# Altium PCB SmartHub Carrier.PcbDoc (part 2 of 5)
Units mm, origin at the board's own origin, x right, y up, seen from the top; angles counter-clockwise.
Board outline 120 x 130 mm, 8 copper layers (Top Layer, Layer 2, Layer 3, Layer 4, Layer 5, Layer 6, Layer 7, Bottom Layer), stack 1.479 mm thick; 460 components, 376 nets, 1826 pads, 565 vias.
Unrouted connection lines stored in the file: 350.
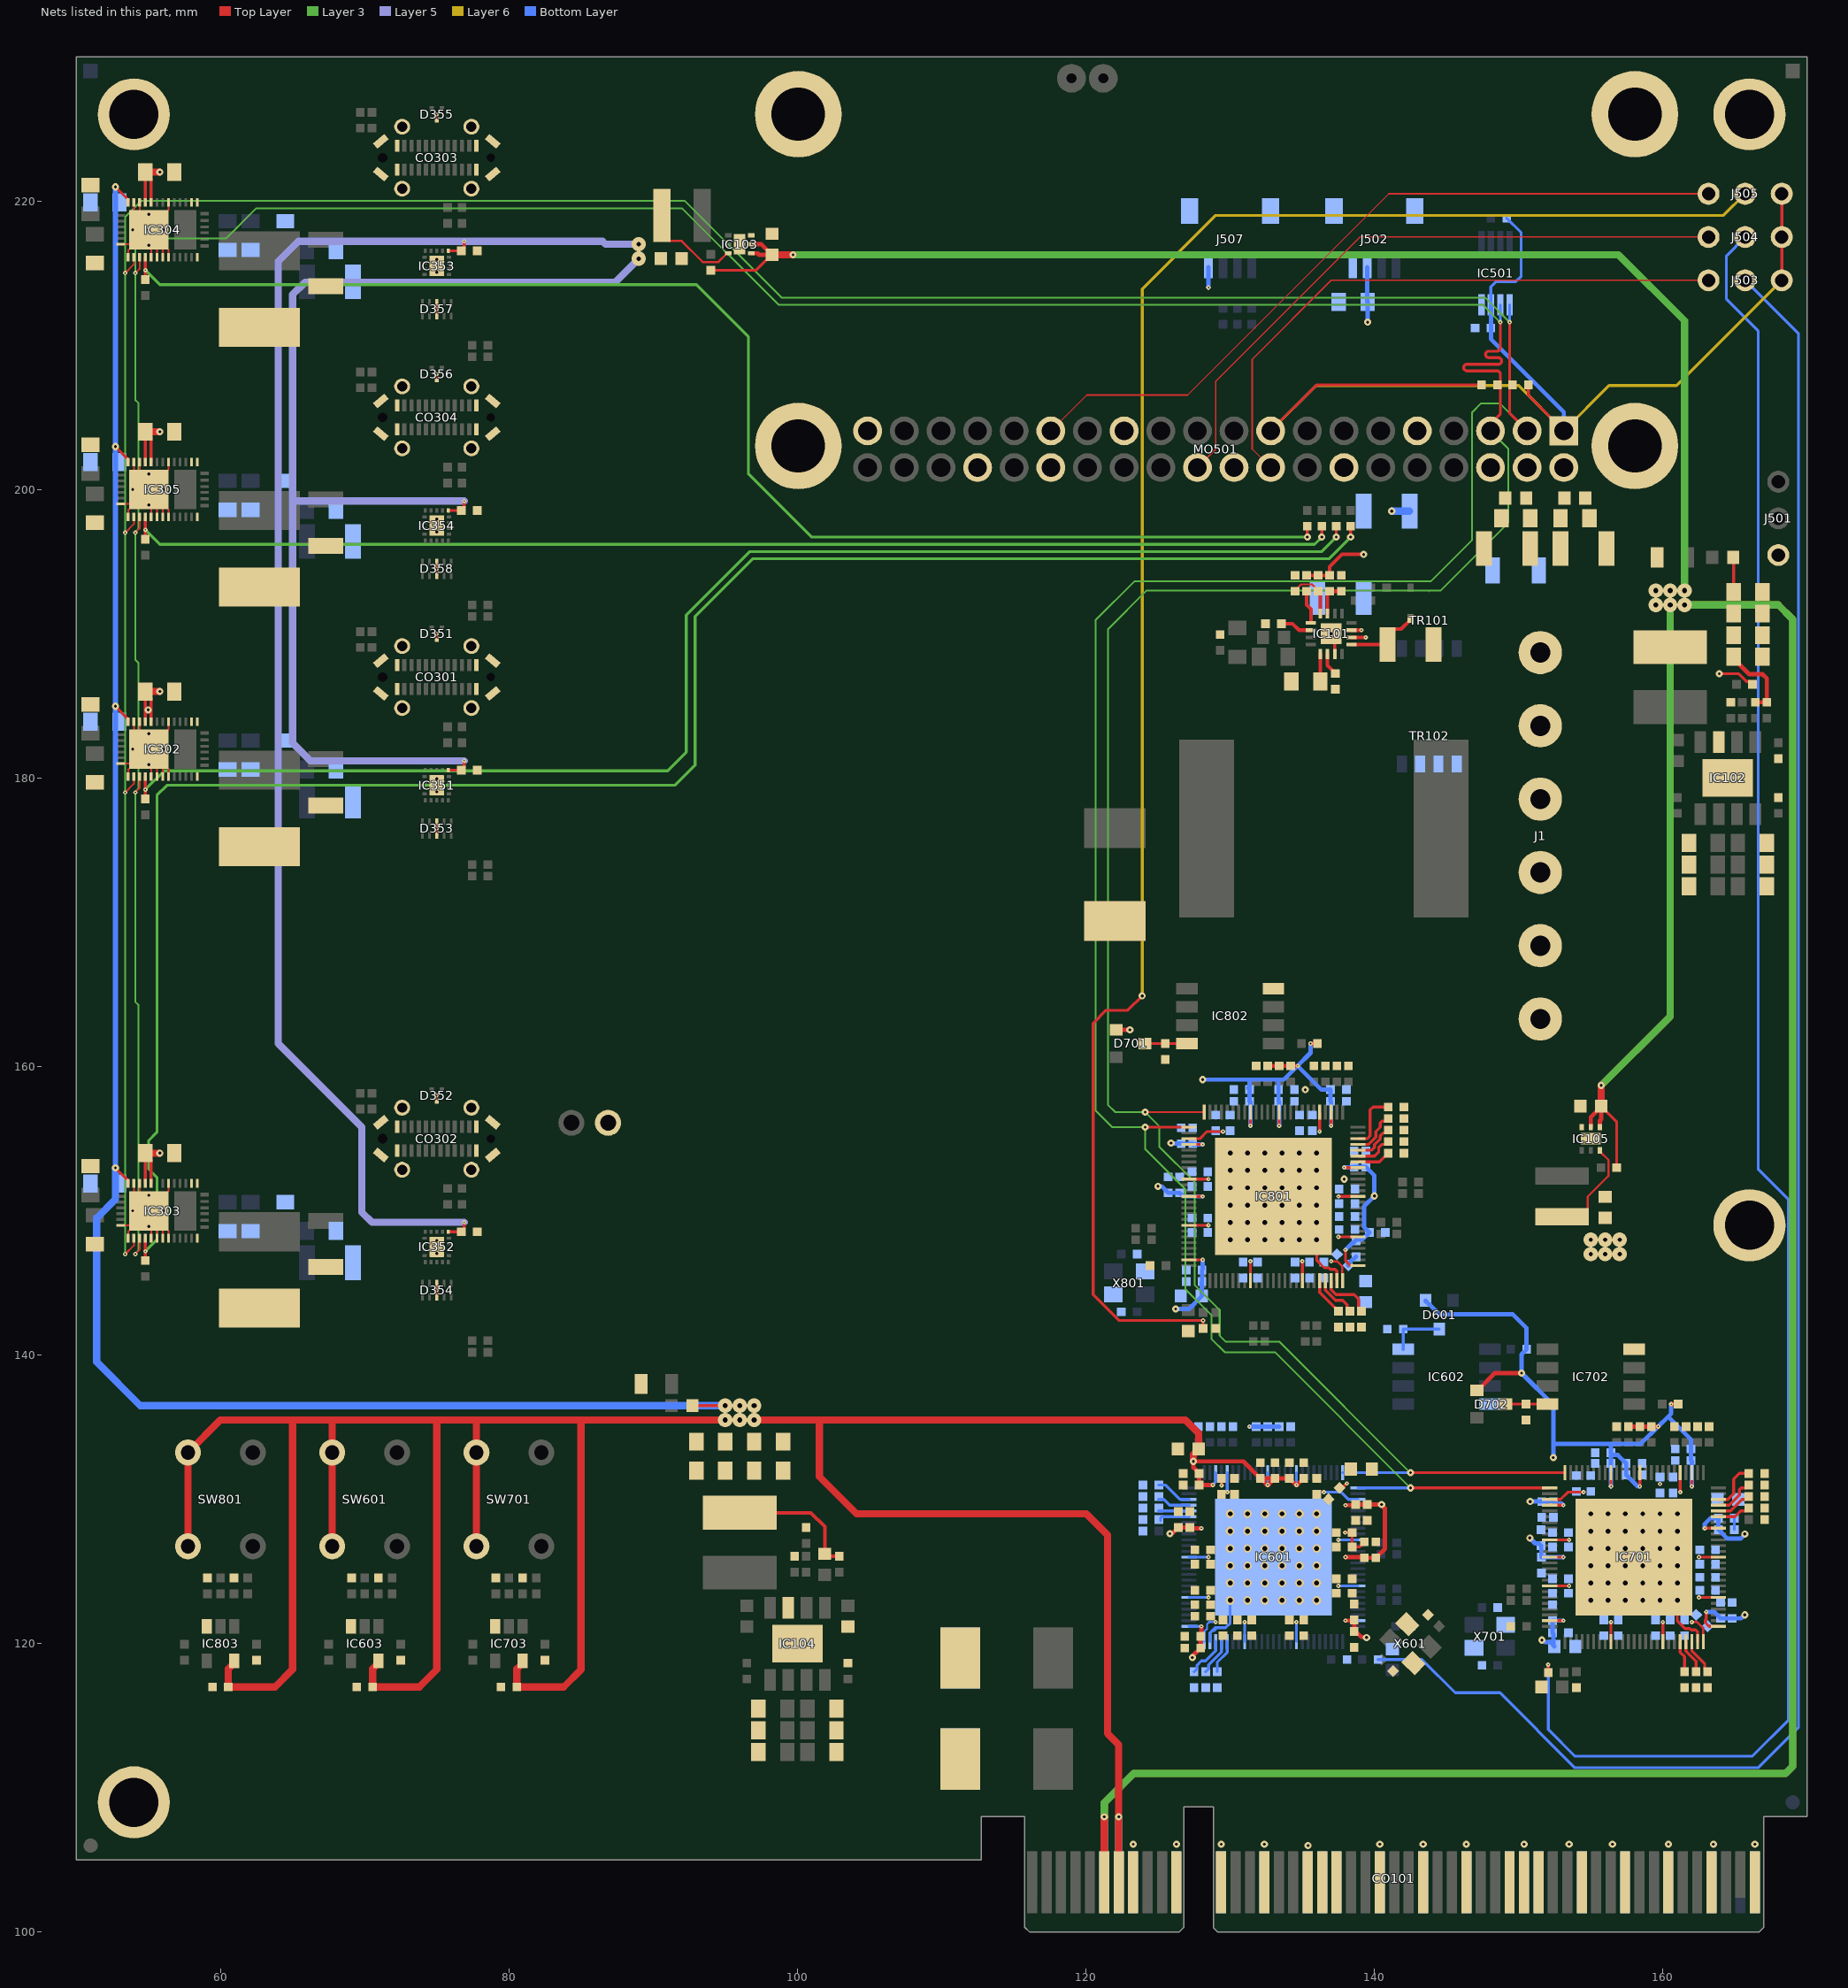
[diagram p8: the nets of this part, all layers, seen from the top]

## Footprints (in the part's own frame and the unit in brackets; to place one, negate y for a bottom-side part, rotate by r counter-clockwise, add the part's x,y. Pads: shape width x height; smd on the part's side, far side on the other; paste and mask are expansions set on the pad) (continued)
SOD-323 [mm]
  rect 0.59x0.45 smd: 1(-1.075,0) 2(1.075,0)
  silkscreen extent -1.4,-0.6 1.6,0.6, body extent -1.25,-0.63 1.25,0.63, height 0.98
SOT-3 [mm]
  rect 0.3x0.3 smd mask+0.05: 1(-0.35,-0.425) 2(0.35,-0.425) 3(0,0.425)
  silkscreen extent -0.6,-0.6 0.6,0.6, body extent -0.5,-0.45 0.5,0.45, height 0.5
SOT-23 [mm]
  rect 0.8x0.9 smd: 1(0.95,1) 2(-0.95,1) 3(0,-1)
  silkscreen extent -1.52,-0.51 1.52,0.51, body extent -1.52,-1.32 1.52,1.32, height 1.04
SOT-1176-1 [mm]
  rect 0.2x0.475 smd: 1(-1,-0.475) 2(-0.5,-0.475) 3(0,-0.475) 4(0.5,-0.475) 5(1,-0.475) 6(1,0.475) 7(0.5,0.475) 8(0,0.475) 9(-0.5,0.475) 10(-1,0.475)
  silkscreen extent -1.4,-0.6 1.3,0.5, body extent -1.25,-0.5 1.25,0.5, height 0.5
SRN6045TA [mm]
  rect 2.35x5.1 smd: 1(-2.075,0) 2(2.075,0)
  silkscreen extent -3.5,-3.25 3.5,3.25, body extent -3.15,-3 3.15,3, height 4.5
Tantalum_2924_4.1MM [mm]
  rect 2.77x4.25 smd: 1(-3.22,0) 2(3.22,0)
  silkscreen extent -5,-3.2 4.8,3.2, body extent -3.67,-3.15 3.93,3.15, height 3.8
TS02 [mm]
  round 1.8 hole 1: 1(-3.25,2.25) 2(3.25,2.25) 3(-3.25,-2.25) 4(3.25,-2.25)
  silkscreen extent -4.2,-3 3.6,3.2, body extent -3.6,-3 3.6,3, height 5
TSOP-5 [mm]
  rect 0.7x1 smd: 1(-0.95,-1.2) 2(0,-1.2) 3(0.95,-1.2) 4(0.95,1.2) 5(-0.95,1.2)
  silkscreen extent -1.9,-2.2 1.6,1.9, body extent -1.55,-1.5 1.55,1.5, height 1.1
USB4070-30-C [mm]
  round 0 hole 0.58 slot 1 at 0 deg unplated mask+0: 0(-3.75,0)
  round 0 hole 0.66 unplated mask+0: 0(3.75,0)
  rect 0.3x0.85 smd: 1(-2.75,0.83) 2(-2.25,0.83) 3(-1.75,0.83) 4(-1.25,0.83) 5(-0.75,0.83) 6(-0.25,0.83) 7(0.25,0.83) 8(0.75,0.83) 9(1.25,0.83) 10(1.75,0.83) 11(2.25,0.83) 12(2.75,0.83) 21(2.75,-0.83) 22(2.25,-0.83) 23(1.75,-0.83) 24(1.25,-0.83) 25(0.75,-0.83) 26(0.25,-0.83) 27(-0.25,-0.83) 28(-0.75,-0.83) 29(-1.25,-0.83) 30(-1.75,-0.83) 31(-2.25,-0.83) 32(-2.75,-0.83)
  rect 0.5x1.03 smd rot 50: SH(-3.88,-1.135) SH(3.88,1.135)
  rect 0.5x1.03 smd rot 130: SH(-3.88,1.135) SH(3.88,-1.135)
  round 1.1 hole 0.7: SH(-2.4,2.15) SH(-2.4,-2.15) SH(2.4,2.15) SH(2.4,-2.15)
  silkscreen extent -4.25,-2.25 4.25,2.25, body extent -4.44,-2.27 4.43,2.28, height 10.54
VQFN-100G_12X12 [mm]
  rect 1.05x0.2 smd: 1(-5.85,4.8) 2(-5.85,4.4) 3(-5.85,4) 4(-5.85,3.6) 5(-5.85,3.2) 6(-5.85,2.8) 7(-5.85,2.4) 8(-5.85,2) 9(-5.85,1.6) 10(-5.85,1.2) 11(-5.85,0.8) 12(-5.85,0.4) 13(-5.85,0) 14(-5.85,-0.4) 15(-5.85,-0.8) 16(-5.85,-1.2) 17(-5.85,-1.6) 18(-5.85,-2) 19(-5.85,-2.4) 20(-5.85,-2.8) 21(-5.85,-3.2) 22(-5.85,-3.6) 23(-5.85,-4) 24(-5.85,-4.4) 25(-5.85,-4.8) 51(5.85,-4.8) 52(5.85,-4.4) 53(5.85,-4) 54(5.85,-3.6) 55(5.85,-3.2) 56(5.85,-2.8) 57(5.85,-2.4) 58(5.85,-2) 59(5.85,-1.6) 60(5.85,-1.2) 61(5.85,-0.8) 62(5.85,-0.4) 63(5.85,0) 64(5.85,0.4) 65(5.85,0.8) 66(5.85,1.2) 67(5.85,1.6) 68(5.85,2) 69(5.85,2.4) 70(5.85,2.8) 71(5.85,3.2) 72(5.85,3.6) 73(5.85,4) 74(5.85,4.4) 75(5.85,4.8)
  rect 0.2x1.05 smd: 26(-4.8,-5.85) 27(-4.4,-5.85) 28(-4,-5.85) 29(-3.6,-5.85) 30(-3.2,-5.85) 31(-2.8,-5.85) 32(-2.4,-5.85) 33(-2,-5.85) 34(-1.6,-5.85) 35(-1.2,-5.85) 36(-0.8,-5.85) 37(-0.4,-5.85) 38(0,-5.85) 39(0.4,-5.85) 40(0.8,-5.85) 41(1.2,-5.85) 42(1.6,-5.85) 43(2,-5.85) 44(2.4,-5.85) 45(2.8,-5.85) 46(3.2,-5.85) 47(3.6,-5.85) 48(4,-5.85) 49(4.4,-5.85) 50(4.8,-5.85) 76(4.8,5.85) 77(4.4,5.85) 78(4,5.85) 79(3.6,5.85) 80(3.2,5.85) 81(2.8,5.85) 82(2.4,5.85) 83(2,5.85) 84(1.6,5.85) 85(1.2,5.85) 86(0.8,5.85) 87(0.4,5.85) 88(0,5.85) 89(-0.4,5.85) 90(-0.8,5.85) 91(-1.2,5.85) 92(-1.6,5.85) 93(-2,5.85) 94(-2.4,5.85) 95(-2.8,5.85) 96(-3.2,5.85) 97(-3.6,5.85) 98(-4,5.85) 99(-4.4,5.85) 100(-4.8,5.85)
  rect 8.1x8.1 smd: 101(0,0)
  silkscreen extent -6.4,-6.4 6.4,6.4, body extent -5.99,-5.99 5.99,5.99, height 0.89
X2QFN-18G_2.4X2 [mm]
  rrect25% 0.3x0.2 smd: 1(-0.85,0.6) 2(-0.85,0.2) 3(-0.85,-0.2) 4(-0.85,-0.6) 10(0.85,-0.6) 11(0.85,-0.2) 12(0.85,0.2) 13(0.85,0.6)
  rrect25% 0.2x0.3 smd: 5(-0.8,-1.05) 6(-0.4,-1.05) 7(0,-1.05) 8(0.4,-1.05) 9(0.8,-1.05) 14(0.8,1.05) 15(0.4,1.05) 16(0,1.05) 17(-0.4,1.05) 18(-0.8,1.05)
  rrect5% 1x1.4 smd: 19(0,0)
  silkscreen extent -1.4,-1.3 1.1,1.3, body extent -1,-1.2 1,1.2, height 0.38

## Part data
C102: library part CA0024, "10µF 63V 10% X7R", ID=24, ManfactPart=GRM32ER71J106KA12, Part Number=CA0024, RefVal=10µF
C103 C108 C327 C336 C349 C360: library part CA0038, "4.7µF 100V 10% X5R", ID=38, ManfactPart=HMK325BJ475KM-PE, Part Number=CA0038, RefVal=4.7µF
C104 C110 C122 C127 C140 C144: library part CA0029, "100nF 50V 10% X7R", ID=29, ManfactPart=CGA2B3X7R1H104K050BB, Part Number=CA0029, RefVal=100nF
C105 C151 C152 C153 C154: library part CA0076, "150µF 35V 20% 100mΩ", ID=76, ManfactPart=TCJU157M035R0100E, Part Number=CA0076, RefVal=150µF
C107 C109 C328 C329 C330 C331 C337 C338 C339 C340 C350 C351 C352 C353 C361 C362 C363 C364: library part CA0021, "10nF 50V 10% X7R", ID=21, ManfactPart=C0805C103K5RAC, Part Number=CA0021, RefVal=10nF
C111 C112 C113 C114 C128 C129 C130 C131 C317 C319 C325 C326 C332 C333 C334 C335 C345 C346 C347 C348 C356 C357 C358 C359 C503 C504 C508: library part CA0001, "10µF 16V 10% X5R", ID=1, ManfactPart=GRM21BR61C106KE15L, Part Number=CA0001, RefVal=10µF
C115 C123 C132 C604 C606 C608 C610 C612 C614 C616 C618 C621 C623 C625 C627 C629 C631 C633 C635 C637 C704 C706 C708 C710 C712 C714 C716 C718 C721 C723 C725 C727 C729 C731 C733 C735 C737 C803 C805 C807 C809 C811 C813 C815 C817 C820 C822 C824 C826 C828 C830 C832 C834 C836: library part CA0031, "1nF 50V 1% C0G", ID=31, ManfactPart=GRT1555C1H102FA02D, Part Number=CA0031, RefVal=1nF
C116 C117 C118 C119 C120 C121 C134 C135 C136 C137 C138 C139: library part CA0005, "10µF 35V 10% X5R", ID=5, ManfactPart=C2012X5R1V106K125AC, Part Number=CA0005, RefVal=10µF
C124: library part CA0030, "1.2nF 50V 10% X7R", ID=30, ManfactPart=GCM155R71H122KA37D, Part Number=CA0030, RefVal=1.2nF
C125 C126 C133 C141: library part CA0008, "10µF 16V 20% X5R", ID=8, ManfactPart=GRM188R61C106MAALD, Part Number=CA0008, RefVal=10µF
C142: library part CA0068, "56pF 50V 2% C0G", ID=68, ManfactPart=CC0402GRNPO9BN560, Part Number=CA0068, RefVal=56pF
C143: library part CA0055, "2.7nF 50V 5% X7R", ID=55, ManfactPart=GRM155R71H272JA01D, Part Number=CA0055, RefVal=2.7nF
C145: library part CA0070, "2.2nF 50V 10% X7R", ID=70, ManfactPart=C0805C222K5RAC, Part Number=CA0070, RefVal=2.2nF
C301 C302 C303 C304 C305 C306 C307 C308 C309 C310 C311 C312 C313 C314 C315 C316 C318 C320 C321 C322 C323 C324 C367 C368 C369 C370 C371 C372 C373 C374 C375 C376 C377 C378 C379 C380 C507 C601 C603 C605 C607 C609 C611 C613 C615 C617 C620 C622 C624 C626 C628 C630 C632 C634 C636 C638 C641 C642 C643 C644 C701 C703 C705 C707 C709 C711 C713 C715 C717 C720 C722 C724 C726 C728 C730 C732 C734 C736 C738 C739 C742 C743 C802 C804 C806 C808 C810 C812 C814 C816 C819 C821 C823 C825 C827 C829 C831 C833 C835 C837 C838 C846: library part CA0010, "100nF 16V 10% X7R", ID=10, ManfactPart=GCM155R71C104KA55D, Part Number=CA0010, RefVal=100nF
C341 C343 C354 C365: library part CA0039, "10µF 63V 10% X7R", ID=39, ManfactPart=CL32B106KMVNNWE, Part Number=CA0039, RefVal=10µF
C342 C344 C355 C366: library part CA0051, "22µF 63V 20% X7R", ID=51, ManfactPart=KRM55WR71J226MH01K, Part Number=CA0051, RefVal=22µF
C501 C502: library part CA0007, "47µF 16V 20% X5R", ID=7, ManfactPart=EMK325ABJ476MM8P, Part Number=CA0007, RefVal=47µF
C505 C506: library part CA0003, "1µF 16V 10% X5R", ID=3, ManfactPart=C1608X5R1C105K080AA, Part Number=CA0003, RefVal=1µF
C602 C619 C702 C719 C801 C818: library part CA0002, "4.7µF 16V 10% X5R", ID=2, ManfactPart=C1608X5R1C475K080AC, Part Number=CA0002, RefVal=4.7µF
C639 C640 C740 C741 C848 C849: library part CA0059, "12pF 16V 1% C0G", ID=59, ManfactPart=VJ0402A120FXJCW1BC, Part Number=CA0059, RefVal=12pF
CO101: library part CO0052, "PCIE GEN4-X8, Male", ID=52, Part Number=CO0052, RefVal=PCIE-X8
CO301 CO302 CO303 CO304: library part CO0021, "USB C connector Receptacle Vertical", ID=16, ManfactPart=USB4070-30-C, Part Number=CO0021, RefVal=USB4070
CO501 CO502: library part CO0058, "Pogo pin 3mm TH", ID=58, ManfactPart=0906-0-15-20-76-14-11-0, Part Number=CO0058, RefVal="Pogo pin"
D101 D102: library part DI0001, ID=1, ManfactPart=KP-2012CGCK, Part Number=DI0001, RefVal="Led Green"
D111: library part DI0013, "Schottky Diodes 30V", ID=13, ManfactPart="CMDSH2-3 TR PBFREE", Part Number=DI0013, RefVal=CMDSH2-3
D351 D352 D355 D356: library part DI0002, "USB 2 TVS Diode", ID=2, ManfactPart=TPD2EUSB30DRTR, Part Number=DI0002, RefVal=TVS
D353 D354 D357 D358: library part DI0007, "USB 3 TVS Diode", ID=7, ManfactPart=PUSB3FA2Z, Part Number=DI0007, RefVal=TVS
D601 D701 D702: library part DI0010, "Diodes - General Purpose, Power, Switching 100Vll Signal Switching Diodes 2A", ID=10, ManfactPart=BAS16_R1_00001, Part Number=DI0010, RefVal=BAS16
Fid1 Fid3: library part ME0011, "Fiducial Round 1mm", ID=11, Part Number=ME0011, RefVal=Fiducial
Fid2 Fid4: library part ME0012, "Fiducial Sqaure 1mm", ID=12, Part Number=ME0012, RefVal=Fiducial
H1 H2 H3 H4: library part ME0001, "Mounting Hole M3", ID=1, Part Number=ME0001, RefVal="Hole M3"
IC101: library part IC0063, "High Frequency Synchronous Step-Down Voltage Mode DC/DC Controller", ID=63, ManfactPart=LTC3775IUD#PBF, Part Number=IC0063, RefVal=LTC3775
IC102 IC104: library part IC0031, "3.8V TO 40V INPUT, 5A LOW IQ SYNCHRONOUS BUCK WITH PROGRAMMABLE SOFT-START TIME", ID=31, ManfactPart=AP64501SP-13, Part Number=IC0031, RefVal=AP64501SP-13
IC103: library part IC0064, "3MHz 2A Buck Converter 1.80V OUT", ID=64, ManfactPart=HL7504FN07, Part Number=IC0064, RefVal=HL7504
IC105: library part IC0050, "3MHz 2A Buck Converter 1.10V OUT", ID=50, ManfactPart=HL7504FN08, Part Number=IC0050, RefVal=HL7504
IC302 IC303 IC304 IC305: library part IC0041, "USB Type-C and USB PD Controller with Integrated Power Switches Optimized for Power Applications", ID=41, ManfactPart=TPS25750D, Part Number=IC0041, RefVal=TPS25750D
IC351 IC352 IC353 IC354: library part IC0039, "TUSB542 USB Type-C 5 Gbps Redriver 2:1 MUX", ID=39, ManfactPart=TUSB542, Part Number=IC0039, RefVal=TUSB542
IC501: library part IC0054, "Board Mount Temperature Sensors Single RPB-Based PWM Fan Speed CNTRL", ID=54, ManfactPart=EMC2301-1-ACZL-TR, Part Number=IC0054, RefVal=EMC2301
IC601 IC701 IC801: library part IC0065, "6-Port USB 3.2 Gen 2 Controller Hub", ID=65, ManfactPart=USB7206C, Part Number=IC0065, RefVal=USB7206C
IC602 IC702 IC802: library part IC0059, "16 Mbit Serial Quad I/O (SQI) Flash Memory", ID=59, ManfactPart=SST26VF016B-104I/SM, Part Number=IC0059, RefVal=SST26VF016B
IC603 IC703 IC803: library part IC0061, "Logic Gates 2-6V Single 2-Input NOR", ID=61, ManfactPart=MC74HC1G02DTT1G, Part Number=IC0061, RefVal=MC74HC1G02
J1: library part CO0033, "Pluggable Terminal Blocks 6 Pos 5.08mm pitch Through Hole Header", ID=33, ManfactPart=1755778, Part Number=CO0033, RefVal=1755778
J501 J503 J504 J505: library part CO0018, "Header 1x3P", ID=32, ManfactPart=G800W305018EU, Part Number=CO0018, RefVal=Header
J502: library part CO0055, "Connector Header SMD R/A 4POS 1MM", ID=55, ManfactPart=SM04B-SRSS-TB, Part Number=CO0055, RefVal="Fan Connctor"
J506: library part CO0060, "Socket Strip with Square Tails", ID=60, ManfactPart=SSQ-102-02-S-S, Part Number=CO0060, RefVal="Pin Socket"
J507: library part CO0056, "Connector Header SMD R/A 4POS 1MM for LED4PG-15-23B/R6G6BHC-A01/2T", ID=56, ManfactPart=SM04B-SRSS-TB, Part Number=CO0056, RefVal="Led Connector"
L101 L103: library part IN0005, "3.3µH 5A 30% 21mΩ", ID=5, ManfactPart=SRN6045TA-3R3Y, Part Number=IN0005, RefVal="3.3µH 5A"
L102 L104: library part IN0004, ID=4, ManfactPart=NRS4018T2R2MDGJ, Part Number=IN0004, RefVal="2.2µH 3A"
L105: library part IN0018, "3.3µH 35A 20% 2.93mΩ", ID=18, ManfactPart=IHLP6767GZER3R3M11, Part Number=IN0018, RefVal="3.3µH 35A"
"Logo FxLand": library part ME0008, "Logo FxLand 3", ID=8, Part Number=ME0008, RefVal=FxLand
MO501: library part MO0018, "RPI ZeroW Pin 1-40", ID=18, ManfactPart=61304021121, Part Number=MO0018, RefVal=ZeroW-1
MO502 MO503 MO504 MO505: library part MO0016, "RPI ZeroW Mounting Studs", ID=16, ManfactPart=9774030151R, Part Number=MO0016, RefVal=ZeroW-M
MO506: library part MO0015, "Outline of ZeroW", ID=15, ManfactPart="RPI Zero W", Part Number=MO0015, RefVal=ZeroW
R101: library part RS0083, "442Ω 1% 100mW 100PPM", ID=83, ManfactPart=ERJ-2RKF4420X, Part Number=RS0083, RefVal=442Ω
R102 R103 R401 R402 R403 R404 R612 R613 R614 R713 R714 R715 R811 R812 R813: library part RS0036, "100KΩ 1% 62.5mW 100PPM", ID=36, ManfactPart=AC0402FR-13100KL, Part Number=RS0036, RefVal=100KΩ
R104: library part RS0088, "198KΩ 0.1% 100mW 25PPM", ID=88, ManfactPart=RT0603BRD07198KL, Part Number=RS0088, RefVal=198KΩ
R105: library part RS0084, "6.1KΩ 0.1% 100mW 25PPM", ID=84, ManfactPart=TNPW040236K1BEED, Part Number=RS0084, RefVal=6.1KΩ
R106: library part RS0089, "39KΩ 1% 62.5mW 100PPM", ID=89, ManfactPart=CRG0402F39K, Part Number=RS0089, RefVal=39KΩ
R107 R108 R503 R504 R505 R506 R601 R602 R605 R606 R607 R608 R609 R610 R701 R702 R703 R706 R707 R708 R709 R710 R711 R801 R804 R805 R806 R807 R808 R809: library part RS0011, "10KΩ 1% 62.5mW", ID=11, ManfactPart=WR04X1002FTL, Part Number=RS0011, RefVal=10KΩ
R109: library part RS0090, "73.2KΩ 1% 100mW 100PPM", ID=90, ManfactPart=RK73H1ETTP7322F, Part Number=RS0090, RefVal=73.2KΩ
R110 R116: library part RS0007, "100Ω 1% 100mW", ID=7, ManfactPart=WR06X1000FTL, Part Number=RS0007, RefVal=100Ω
R111: library part RS0001, "150Ω 1% 100mW", ID=1, ManfactPart=MCWR06X1500FTL, Part Number=RS0001, RefVal=150Ω
R112 R611 R712 R810: library part RS0015, "12KΩ 1% 62.5mW", ID=15, ManfactPart=RC0402FR-1312KL, Part Number=RS0015, RefVal=12KΩ
R113: library part RS0034, "20KΩ 1% 100mW 100PPM", ID=34, ManfactPart=ERJ-S02F2002X, Part Number=RS0034, RefVal=20KΩ
R114: library part RS0035, "2.2KΩ 1% 62.5mW 100PPM", ID=35, ManfactPart=CRGCQ0402F2K2, Part Number=RS0035, RefVal=2.2KΩ
R115 R120: library part RS0066, "1MΩ 1% 62.5mW 100PPM", ID=66, ManfactPart=0402WGF1004TCE, Part Number=RS0066, RefVal=1MΩ
R117: library part RS0080, "50Ω 0.1% 100mW 50PPM", ID=80, ManfactPart=RT0603BRE0750RL, Part Number=RS0080, RefVal=50Ω
R118: library part RS0041, "69.8KΩ 1% 100mW 100PPM", ID=41, ManfactPart=CRCW060369K8FKEB, Part Number=RS0041, RefVal=69.8KΩ
R119: library part RS0054, "10.5KΩ 1% 62.5mW 100PPM", ID=54, ManfactPart=CRCW040210K5FKEDC, Part Number=RS0054, RefVal=10.5K
R121 R616 R717 R815: library part RS0040, "22.1KΩ 1% 100mW 100PPM", ID=40, ManfactPart=RC0603FR-0722K1L, Part Number=RS0040, RefVal=22.1KΩ
R122: library part RS0091, "3mΩ 5% 250mW 100PPM", ID=91, ManfactPart=AC1206JR-073ML, Part Number=RS0091, RefVal=3mΩ
R501 R502: library part RS0020, "2.2KΩ 5% 62.5mW", ID=20, ManfactPart="MCMR04X222 JTL", Part Number=RS0020, RefVal=2.2KΩ
R507: library part RS0051, "36KΩ 1% 62.5mW 100PPM", ID=51, ManfactPart=ERJ-2RKF3602X, Part Number=RS0051, RefVal=36KΩ
R508 R509: library part RS0082, "120Ω 1% 62.5mW 100PPM", ID=82, ManfactPart=CRG0402F120R, Part Number=RS0082, RefVal=100Ω
R510: library part RS0081, "68Ω 1% 62.5mW 100PPM", ID=81, ManfactPart=CR0402-FX-68R0GLF, Part Number=RS0081, RefVal=68Ω
R603 R604 R617 R618 R619 R620 R621 R622 R623 R624 R625 R626 R627 R704 R705 R718 R719 R720 R721 R722 R723 R724 R725 R726 R727 R728 R802 R803 R816 R817 R818 R819 R820 R821 R822 R823 R824 R825 R826: library part RS0045, "200KΩ 1% 62.5mW 100PPM", ID=45, ManfactPart=CRG0402F200K, Part Number=RS0045, RefVal=200KΩ
R615 R716 R814: library part RS0038, "5.1KΩ 1% 62.5mW 100PPM", ID=38, ManfactPart=CRCW04025K10FKEDC, Part Number=RS0038, RefVal=5.1kΩ
SW601 SW701 SW801: library part SW0005, "TACTILE SWITCH SPST", ID=5, ManfactPart=TS02-66-50-BK-160-SCR-D, Part Number=SW0005, RefVal=TS02
TR101: library part TR0015, "30V/8mΩ, N-channel Power MOSFET, 30A", ID=15, ManfactPart=RJK0305DPB, Part Number=TR0015, RefVal=RJK0305DPB
TR102: library part TR0014, "30V/2.8mΩ, N-channel Power MOSFET, 60A", ID=14, ManfactPart=RJK0301DPB, Part Number=TR0014, RefVal=RJK0301DPB
X601 X701 X801: library part CR0003, "25MHz 8pF 20PPM", ID=3, ManfactPart=403WF25012IK, Part Number=CR0003, RefVal=25MHz

## Via types
v1: diameter 0.3, hole 0.1, Top Layer to Bottom Layer, 235 vias
v2: diameter 0.5, hole 0.2, Top Layer to Bottom Layer, 115 vias
v3: diameter 0.6, hole 0.33, Top Layer to Bottom Layer, 108 vias
v4: diameter 1, hole 0.3, Top Layer to Bottom Layer, 40 vias
v5: diameter 0.45, hole 0.2, Top Layer to Bottom Layer, 40 vias
v6: diameter 1, hole 0.35, Top Layer to Bottom Layer, 27 vias

## Nets (pads, with @x,y where several pads share a name; then routed paths per layer and width w, separated by ;. In a path a pad name is that pad's centre, name@x,y a point inside that pad or via, vN(x,y) a via of type N, cw(c..) or ccw(c..) an arc to the next point about the centre after c; other vN are vias at no path point)
3v3_F: C701.1 D701.3 IC802.8 | length 2.9
  Top Layer w0.2: D701.3@124.1,161.6 IC802.8@127,161.6
3v3_G1: C601.1 D601.3 IC602.8 | length 3.9
  Bottom Layer w0.2: IC602.8@142,140.4 C601.1@142,141.8 D601.3@144.5,141.8
3v3_G2: C738.1 D702.3 IC702.8 | length 2.9
  Top Layer w0.2: D702.3@149.1,136.6 IC702.8@152,136.6
+1V1: C141.1 C619.1 C620.1 C621.1 C622.1 C623.1 C624.1 C625.1 C626.1 C627.1 C628.1 C629.1 C630.1 C631.1 C632.1 C633.1 C634.1 C635.1 C636.1 C637.1 C719.1 C720.1 C721.1 C722.1 C723.1 C724.1 C725.1 C726.1 C727.1 C728.1 C729.1 C730.1 C731.1 C732.1 C733.1 C734.1 C735.1 C736.1 C737.1 C818.1 C819.1 C820.1 C821.1 C822.1 C823.1 C824.1 C825.1 C826.1 C827.1 C828.1 C829.1 C830.1 C831.1 C832.1 C833.1 C834.1 C835.1 C836.1 IC105.3 IC601.9 IC601.18 IC601.25 IC601.31 IC601.38 IC601.55 IC601.78 IC601.85 IC601.93 IC701.9 IC701.18 IC701.25 IC701.31 IC701.38 IC701.55 IC701.78 IC701.85 IC701.93 IC801.9 IC801.18 IC801.25 IC801.31 IC801.38 IC801.55 IC801.78 IC801.85 IC801.93 L104.2 | length 48.5
  Top Layer w0.15: v1(137,146.5) 137.425,146.5 137.775,146.15 137.775,145.175 IC801.25@137.8,145.15 ; L104.2@153,149.6 L104.2@154,149.6 ; L104.2@154.25,149.6 154.775,150.125 154.775,150.975 156.225,152.425 156.225,153.525 155.625,154.125 IC105.3@155.625,154.2 ; v1(162,121.5) 162.375,121.5 162.775,121.1 162.775,120.175 IC701.25@162.8,120.15
  Top Layer w0.2: IC801.93@127.15,149 v1(128.5,149) ; IC801.85@127.15,152.2 v1(128.5,152.2) ; IC801.78@127.15,155 127.899,155 128.399,155.5 v1(129.5,155.5) ; IC801.9@131.4,145.15 v1(131.4,146.5) ; IC801.18@135,145.15 v1(135,146.5) ; v1(136.2,155.5) IC801.55@136.2,156.85 ; v1(137.5,148.2) IC801.31@138.85,148.2 ; v1(137.5,151) IC801.38@138.85,151 ; IC701.93@152.15,124 v1(153.5,124) ; IC701.85@152.15,127.2 v1(153.5,127.2) ; IC701.78@152.15,130 152.899,130 153.399,130.5 v1(154.5,130.5) ; IC701.9@156.4,120.15 v1(156.4,121.5) ; IC701.18@160,120.15 v1(160,121.5) ; v1(161.2,130.5) IC701.55@161.2,131.85 ; v1(162.5,123.2) IC701.31@163.85,123.2 ; v1(162.5,126) IC701.38@163.85,126
  Bottom Layer w0.15: IC601.25@128.2,120.15 128.225,120.175 128.225,120.859 128.4,121.034 128.4,121.35 128.55,121.5 v1(129,121.5)
  Bottom Layer w0.2: IC601.31@127.15,123.2 v1(128.5,123.2) ; IC601.38@127.15,126 v1(128.5,126) ; v1(129.8,130.5) IC601.55@129.8,131.85 ; IC601.18@131,120.15 v1(131,121.5) ; IC601.9@134.6,120.15 v1(134.6,121.5) ; v1(136.5,130.5) 137.7,130.5 138.2,130 IC601.78@138.85,130 ; v1(137.5,124) IC601.93@138.85,124 ; v1(137.5,127.2) IC601.85@138.85,127.2
  other v4: 155,147 156,147 157,147 155,148 156,148 157,148
+1V8: C126.1 C318.1 C320.1 C379.1 C380.1 IC103.3 IC351.5 IC352.5 IC353.5 IC354.5 L102.2 | length 195.3
  Top Layer w0.15: L102.2@90.6,219 90.6,218 90.6,217.75 91.125,217.225 91.975,217.225 93.425,215.775 94.525,215.775 95.125,216.375 IC103.3@95.2,216.375
  Top Layer w0.2: IC352.5@75.8,148.55 C320.1@76.7,148.55 76.9,148.75 v1(76.9,149.2) ; IC351.5@75.8,180.55 C318.1@76.7,180.55 76.9,180.75 v1(76.9,181.2) ; IC354.5@75.8,198.55 C380.1@76.7,198.55 76.9,198.75 v1(76.9,199.2) ; IC353.5@75.8,216.55 C379.1@76.7,216.55 76.9,216.75 v1(76.9,217.2)
  Top Layer w0.3: L102.2@90.525,217.925 L102.2@90.6,218
  Layer 5 w0.5: v1(76.9,149.2) 70.5,149.2 69.8,149.9 69.8,155.8 64,161.6 64,181.2 64,199.2 64,215.8 65.4,217.2 v1(76.9,217.2) 86.5,217.2 86.7,217 v4(89,217) ; v1(76.9,181.2) 66.25,181.2 65,182.45 65,199.25 ; v1(76.9,199.2) 65.05,199.2 65,199.25 ; v4(89,216) 87.369,214.369 65.869,214.369 65,213.5 65,199.25
+3V3: C128.1 C129.1 C130.1 C131.1 C132.1 C317.1 C332.1 C345.1 C356.1 C602.1 C603.1 C604.1 C605.1 C606.1 C607.1 C608.1 C609.1 C610.1 C611.1 C612.1 C613.1 C614.1 C615.1 C616.1 C617.1 C618.1 C638.1 C702.1 C703.1 C704.1 C705.1 C706.1 C707.1 C708.1 C709.1 C710.1 C711.1 C712.1 C713.1 C714.1 C715.1 C716.1 C717.1 C718.1 C739.1 C801.1 C802.1 C803.1 C804.1 C805.1 C806.1 C807.1 C808.1 C809.1 C810.1 C811.1 C812.1 C813.1 C814.1 C815.1 C816.1 C817.1 C846.1 CO101.A7 CO101.B7 D601.1 D701.1 D702.1 IC302.38 IC303.38 IC304.38 IC305.38 IC601.26 IC601.43 IC601.53 IC601.62 IC601.67 IC601.79 IC601.88 IC601.99 IC603.5 IC701.26 IC701.43 IC701.53 IC701.62 IC701.67 IC701.79 IC701.88 IC701.99 IC703.5 IC801.26 IC801.43 IC801.53 IC801.62 IC801.67 IC801.79 IC801.88 IC801.99 IC803.5 L103.2 R117.1 R118.2 R601.2 R605.1 R606.1 R607.1 R701.2 R702.2 R706.1 R707.1 R708.1 R804.1 R805.1 R806.1 SW601.1 SW601.2 SW701.1 SW701.2 SW801.1 SW801.2 | length 527.3
  Top Layer w0.2: v2(52.725,152.975) 53.6,152.1 IC303.38@53.6,151.9 ; v2(52.725,184.975) 53.6,184.1 IC302.38@53.6,183.9 ; v2(52.725,202.975) 53.6,202.1 IC305.38@53.6,201.9 ; v2(52.725,220.975) 53.6,220.1 IC304.38@53.6,219.9 ; R117.1@92.725,136.5 v6(95,136.5) ; IC801.99@127.15,146.6 v1(128.1,146.6) ; IC801.88@127.15,151 v1(128.1,151) ; IC801.79@127.15,154.6 v1(128.1,154.6) ; v1(131.4,155.9) IC801.67@131.4,156.85 ; v1(133.4,155.9) IC801.62@133.4,156.85 ; v1(137,155.9) IC801.53@137,156.85 ; v1(137.9,153) IC801.43@138.85,153 ; v1(137.992,147.292) 137.992,146.55 138.342,146.2 IC801.26@138.85,146.2 ; IC701.99@152.15,121.6 v1(153.1,121.6) ; IC701.88@152.15,126 v1(153.1,126) ; IC701.79@152.15,129.6 v1(153.1,129.6) ; v1(156.4,130.9) IC701.67@156.4,131.85 ; v1(158.4,130.9) IC701.62@158.4,131.85 ; v1(162,130.9) IC701.53@162,131.85 ; v1(162.9,128) IC701.43@163.85,128 ; v1(163,122.2) 163,121.708 162.942,121.65 162.942,121.458 163.2,121.2 IC701.26@163.85,121.2
  Top Layer w0.25: L103.2@96,129.075 100.925,129.075 101.9,128.1 R118.2@101.9,126.225 102.075,126.05 C132.1@102.9,126.05
  Top Layer w0.3: D701.1@122.1,162.55 v2(123.05,162.55) ; v2(125.821,127.629) 125.859,127.667 126.017,127.667 C617.1@126.4,128.05 C618.1@127.2,128.05 127.25,128 v1(128,128) ; v2(127.378,119.041) 127.416,119.08 127.416,119.166 C615.1@127.95,119.7 C616.1@127.95,120.5 128,120.55 v1(128,121.2) ; v2(127.453,132.635) 127.453,132.197 C603.1@127.85,131.8 C604.1@127.85,131 v1(128.8,131) ; v2@127.5,132.59 127.545,132.635 130.915,132.635 C605.1@132.1,131.45 ; R806.1@132.6,160.05 R805.1@133.4,160.05 R804.1@134.2,160.05 ; R804.1@134.35,160.2 R804.1@134.2,160.05 ; v1(134.675,160.05) R804.1@134.2,160.05 ; C608.1@135.1,131.45 134.65,131 v1(134.6,131) 134.55,131 C607.1@134.1,131.45 C606.1@133.1,131.45 ; v1(135.575,161.6) R701.2@136.05,161.6 ; v1(138,121.6) 138.55,121.6 C614.1@138.6,121.65 C613.1@138.6,120.85 138.75,120.7 138.85,120.7 139.087,120.463 139.412,120.463 v2(139.45,120.425) ; v1(138,126) 139.25,126 C612.1@139.3,125.95 C611.1@140.1,125.95 140.725,126.575 140.725,129.371 140.5,129.596 v2(140.5,129.65) C609.1@139.5,129.65 C610.1@138.7,129.65 138.65,129.6 v1(138,129.6) ; D702.1@147.1,137.55 147.15,137.55 148.35,138.75 v2(150.2,138.75) ; R708.1@157.6,135.05 R707.1@158.4,135.05 R706.1@159.2,135.05 v1(159.675,135.05) ; v1(160.575,136.6) R702.2@161.05,136.6 ; C605.1@132.1,131.45 C606.1@133.1,131.45 ; C605.1@132.1,131.45 132.55,131 v1(132.6,131) 132.65,131 C606.1@133.1,131.45